# Altium PCB MCC17.PcbDoc (part 1 of 5) (continued)
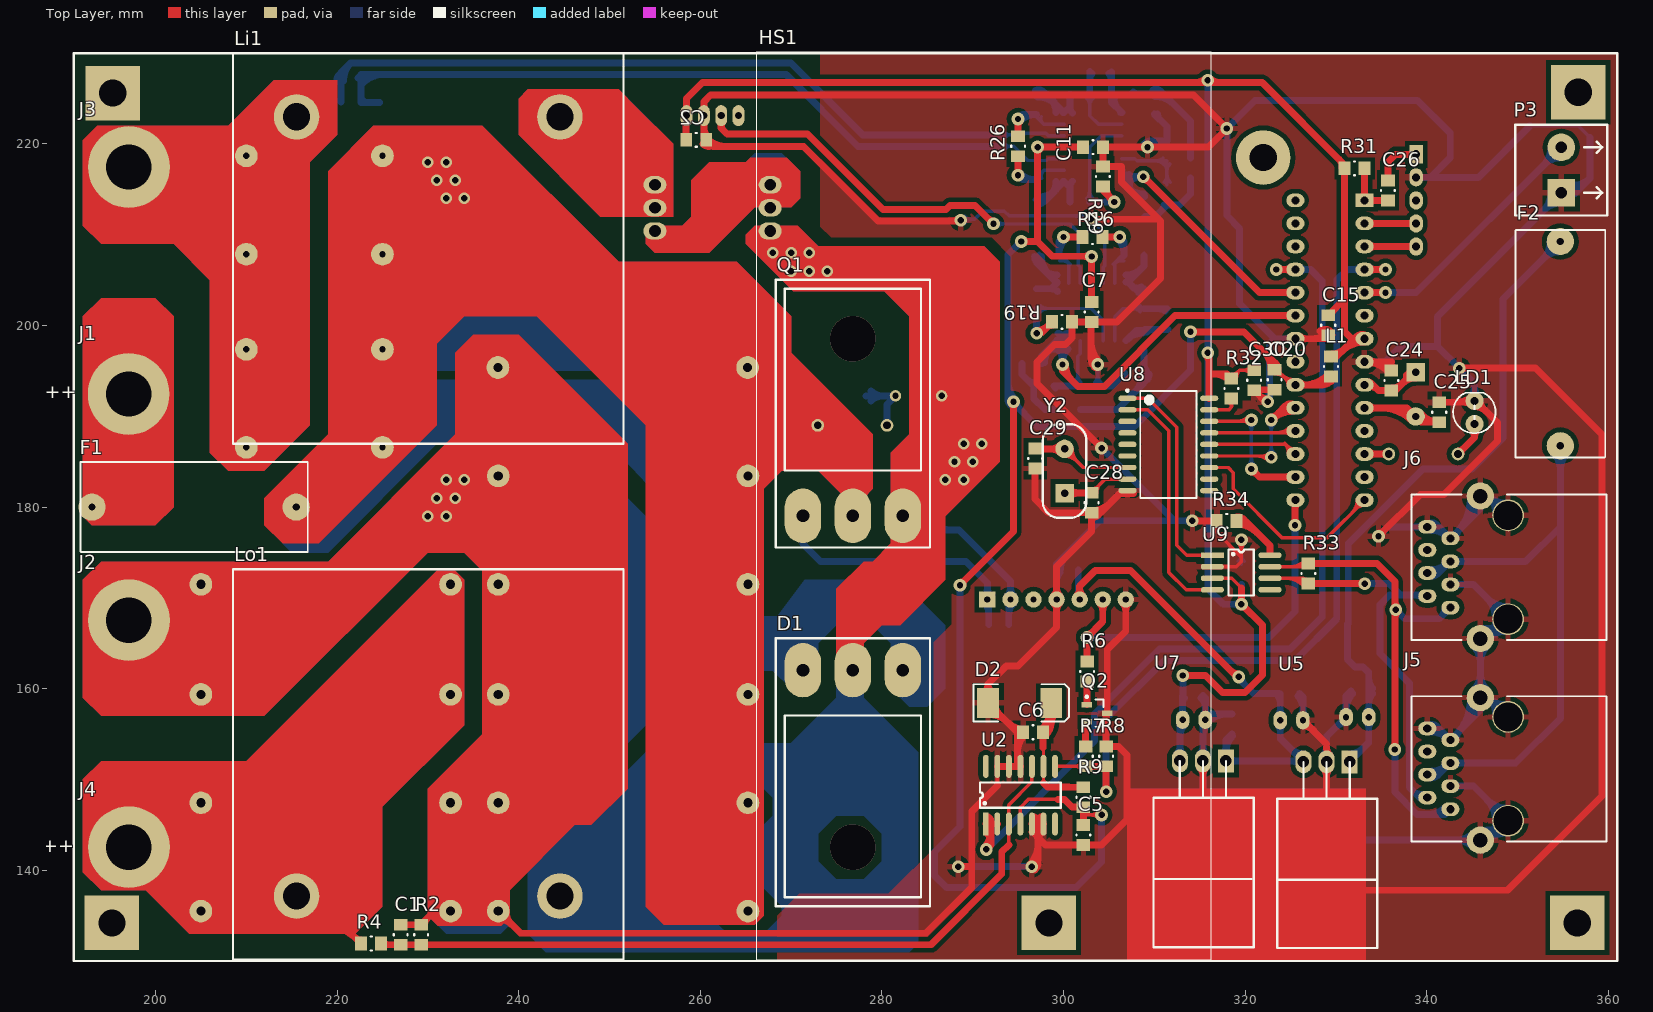
[diagram p0: Top Layer view]
## Nets (pads, with @x,y where several pads share a name; then routed paths per layer and width w, separated by ;. In a path a pad name is that pad's centre, name@x,y a point inside that pad or via, vN(x,y) a via of type N, cw(c..) or ccw(c..) an arc to the next point about the centre after c; other vN are vias at no path point)
+3.9V: C6.2 D2.2 R9.1 U2.9 | length 46.2
  Top Layer w0.381: 297.8,149.6 U2.9@297.8,151.45 297.8,153.2 ; 297.8,153.45 297.8,153.2 ; 297.8,153.5 297.8,153.2
  Top Layer w0.762: 297.75,153.5 C6.2@297.75,155.2 298.65,156.1 ; 297.8,149.6 298.243,149.157 300.593,149.157 300.6,149.15 R9.1@302.2,149.15 ; D2.2@298.65,158.45 298.65,156.1 ; C6.2@297.56,155.49 ccw(c294.928,158.122) D2.2@298.65,158.122 ; C6.2@297.56,155.49 ccw(c294.928,158.122) D2.2@298.65,158.122 ; C6.2@297.56,155.49 ccw(c294.928,158.122) D2.2@298.65,158.122 ; C6.2@297.56,155.49 ccw(c294.928,158.122) D2.2@298.65,158.122 ; C6.2@297.75,155.569 ccw(c297.75,156.46) C6.2@298.38,155.83 ; C6.2@297.75,155.569 ccw(c297.75,156.46) C6.2@298.38,155.83 ; C6.2@297.75,155.569 ccw(c297.75,156.46) C6.2@298.38,155.83 ; C6.2@297.75,155.569 ccw(c297.75,156.46) C6.2@298.38,155.83 ; D2.2@298.088,157.405 cw(c296.856,156.1) 298.65,156.1 ; D2.2@298.088,157.405 cw(c296.856,156.1) 298.65,156.1 ; D2.2@298.088,157.405 cw(c296.856,156.1) 298.65,156.1 ; D2.2@298.088,157.405 cw(c296.856,156.1) 298.65,156.1 ; C6.2@298.099,154.951 ccw(c296.767,156.283) 298.65,156.283 ; C6.2@298.099,154.951 ccw(c296.767,156.283) 298.65,156.283 ; C6.2@298.099,154.951 ccw(c296.767,156.283) 298.65,156.283 ; C6.2@298.099,154.951 ccw(c296.767,156.283) 298.65,156.283 ; 298.65,156.1 cw(c300.444,156.1) D2.2@299.212,157.405 ; 298.65,156.1 cw(c300.444,156.1) D2.2@299.212,157.405 ; 298.65,156.1 cw(c300.444,156.1) D2.2@299.212,157.405 ; 298.65,156.1 cw(c300.444,156.1) D2.2@299.212,157.405
+5V: C2.1 C15.1 C21.1 C23.2 C27.1 C30.1 L1.2 R31.1 R32.1 U1.7 U6.7 U7.3 U8.18 U9.3 | length 363.4
  Top Layer w0.381: U9.3@316.399,172.159 318.541,172.159 319.6,171.1 ; R32.1@318.026,194.651 R32.1@318.501,194.176 319.4,195.075 ; C30.1@321,195.075 319.4,195.075 ; 330.965,203 R31.1@330.965,217.3 ; U6.7@332.408,198.308 ccw(c332.035,198.133) 332.035,198.545 ; U6.7@332.408,198.782 cw(c332.035,198.957) 332.035,198.545 ; U6.7@333.165,198.545 332.035,198.545 ; R32.1@318.601,194.635 ccw(c318.601,195.503) 319.215,194.89 ; R32.1@318.601,194.635 ccw(c318.601,195.503) 319.215,194.89 ; R32.1@318.601,194.635 ccw(c318.601,195.503) 319.215,194.89 ; R32.1@318.601,194.635 ccw(c318.601,195.503) 319.215,194.89 ; R32.1@319.06,194.197 cw(c320.224,194.251) 319.4,195.075 ; R32.1@319.06,194.197 cw(c320.224,194.251) 319.4,195.075 ; R32.1@319.06,194.197 cw(c320.224,194.251) 319.4,195.075 ; R32.1@319.06,194.197 cw(c320.224,194.251) 319.4,195.075 ; 319.791,195.075 cw(c319.791,193.966) C30.1@320.575,194.75 ; 319.791,195.075 ccw(c319.791,196.184) C30.1@320.575,195.4 ; 319.791,195.075 cw(c319.791,193.966) C30.1@320.575,194.75 ; 319.791,195.075 ccw(c319.791,196.184) C30.1@320.575,195.4 ; 319.791,195.075 ccw(c319.791,196.184) C30.1@320.575,195.4 ; 319.791,195.075 cw(c319.791,193.966) C30.1@320.575,194.75 ; 319.791,195.075 ccw(c319.791,196.184) C30.1@320.575,195.4 ; 319.791,195.075 cw(c319.791,193.966) C30.1@320.575,194.75 ; R31.1@330.64,216.875 cw(c329.856,216.091) 330.965,216.091 ; R31.1@330.64,216.875 cw(c329.856,216.091) 330.965,216.091 ; R31.1@330.64,216.875 cw(c329.856,216.091) 330.965,216.091 ; R31.1@330.64,216.875 cw(c329.856,216.091) 330.965,216.091 ; 330.965,216.091 cw(c332.074,216.091) R31.1@331.29,216.875 ; 330.965,216.091 cw(c332.074,216.091) R31.1@331.29,216.875 ; 330.965,216.091 cw(c332.074,216.091) R31.1@331.29,216.875 ; 330.965,216.091 cw(c332.074,216.091) R31.1@331.29,216.875 ; 332.035,198.545 cw(c332.035,197.684) U6.7@332.72,198.206 ; 332.035,198.545 ccw(c332.035,199.406) U6.7@332.72,198.884 ; 332.035,198.545 ccw(c332.035,199.406) U6.7@332.72,198.884 ; 332.035,198.545 cw(c332.035,197.684) U6.7@332.72,198.206 ; 332.035,198.545 ccw(c332.035,199.406) U6.7@332.72,198.884 ; 332.035,198.545 cw(c332.035,197.684) U6.7@332.72,198.206
  Top Layer w0.762: C2.1@258.45,220.45 U1.7@258.45,223.08 ; U1.7@258.49,223.12 258.49,224.99 260.25,226.75 315.9,226.75 321.896,226.75 330.965,217.681 R31.1@330.965,217.3 330.94,217.275 330.94,202.9 C15.1@329.165,201.125 ; v1(313.15,161.45) 315.65,161.45 317.5,159.6 320,159.6 321.9,161.5 321.9,167 v1(319.6,169.3) 319.6,171.1 ; v1@313.376,161.224 cw(c313.92,160.68) 313.92,161.45 cw(c313.92,162.22) v1@313.376,161.676 ; 314.526,226.75 ccw(c314.526,228.374) v1@315.674,227.226 ; v1@315.674,196.774 cw(c314.766,195.866) 316.051,195.866 ; v1(315.9,197) 316.051,196.849 316.051,194.651 ; U8.18@316.051,191.981 316.051,194.651 ; v1@316.126,227.226 ccw(c317.274,228.374) 317.274,226.75 ; R32.1@318.026,194.651 316.051,194.651 ; v1@319.374,169.526 ccw(c318.83,170.07) 319.6,170.07 ccw(c320.37,170.07) v1@319.826,169.526 ; v1@319.6,168.981 cw(c319.6,168.211) 320.145,168.755 cw(c320.689,169.3) v1@319.919,169.3 ; L1.2@329.465,196.6 330.09,196.6 332.035,198.545 ; 330.783,197.293 cw(c332.915,195.161) U6.7@332.915,198.176 ; 330.965,203 330.965,199.325 331.745,198.545 332.035,198.545 ; 331.595,198.105 cw(c332.237,197.463) U6.7@332.719,198.232 ; 332.084,198.594 cw(c332.915,197.762) U6.7@332.915,198.938 ; U6.7@332.652,198.286 ccw(c332.035,197.68) 332.035,198.545 ; U6.7@332.652,198.804 cw(c332.035,199.41) 332.035,198.545 ; U6.7@332.654,198.284 ccw(c332.024,197.654) 332.024,198.545 ccw(c332.024,199.436) U6.7@332.654,198.806 ; 258.45,221.874 cw(c259.236,221.874) U1.7@258.68,222.43 ; 258.45,221.874 cw(c259.236,221.874) U1.7@258.68,222.43 ; 258.45,221.874 cw(c259.236,221.874) U1.7@258.68,222.43 ; 258.45,221.874 cw(c259.236,221.874) U1.7@258.68,222.43 ; 314.683,226.75 ccw(c314.683,228.217) v1@315.72,227.18 ; 314.683,226.75 ccw(c314.683,228.217) v1@315.72,227.18 ; 314.683,226.75 ccw(c314.683,228.217) v1@315.72,227.18 ; v1@315.72,196.82 cw(c314.922,196.022) 316.051,196.022 ; v1@315.72,196.82 cw(c314.922,196.022) 316.051,196.022 ; v1@315.72,196.82 cw(c314.922,196.022) 316.051,196.022 ; v1@316.08,227.18 ccw(c317.117,228.217) 317.117,226.75 ; v1@316.08,227.18 ccw(c317.117,228.217) 317.117,226.75 ; v1@316.08,227.18 ccw(c317.117,228.217) 317.117,226.75 ; 316.605,194.651 cw(c316.605,192.38) R32.1@318.211,193.986 ; 316.605,194.651 cw(c316.605,192.38) R32.1@318.211,193.986 ; 316.605,194.651 cw(c316.605,192.38) R32.1@318.211,193.986 ; 316.605,194.651 cw(c316.605,192.38) R32.1@318.211,193.986 ; C15.1@329.534,201.125 cw(c330.425,201.125) C15.1@329.795,201.755 ; C15.1@329.534,201.125 cw(c330.425,201.125) C15.1@329.795,201.755 ; C15.1@329.534,201.125 cw(c330.425,201.125) C15.1@329.795,201.755 ; C15.1@329.534,201.125 cw(c330.425,201.125) C15.1@329.795,201.755 ; L1.2@329.565,196.869 ccw(c329.565,198.786) 330.92,197.43 ; L1.2@329.565,196.869 ccw(c329.565,198.786) 330.92,197.43 ; L1.2@329.565,196.869 ccw(c329.565,198.786) 330.92,197.43 ; L1.2@329.565,196.869 ccw(c329.565,198.786) 330.92,197.43 ; 330.307,218.339 cw(c329.368,217.4) R31.1@330.696,217.4 ; 330.307,218.339 cw(c329.368,217.4) R31.1@330.696,217.4 ; 330.307,218.339 cw(c329.368,217.4) R31.1@330.696,217.4 ; 330.307,218.339 cw(c329.368,217.4) R31.1@330.696,217.4 ; 330.606,197.116 cw(c333.165,194.557) U6.7@333.165,198.176 ; 330.606,197.116 cw(c333.165,194.557) U6.7@333.165,198.176 ; 330.606,197.116 cw(c333.165,194.557) U6.7@333.165,198.176 ; 330.94,216.49 cw(c331.675,216.49) R31.1@331.155,217.01 ; 330.94,216.49 cw(c331.675,216.49) R31.1@331.155,217.01 ; 330.94,216.49 cw(c331.675,216.49) R31.1@331.155,217.01 ; 330.94,216.49 cw(c331.675,216.49) R31.1@331.155,217.01 ; 331.47,197.98 cw(c332.395,197.055) U6.7@332.996,198.217 ; 331.47,197.98 cw(c332.395,197.055) U6.7@332.996,198.217 ; 331.47,197.98 cw(c332.395,197.055) U6.7@332.996,198.217 ; 331.907,198.417 cw(c333.165,197.159) U6.7@333.165,198.938 ; 331.907,198.417 cw(c333.165,197.159) U6.7@333.165,198.938 ; 331.907,198.417 cw(c333.165,197.159) U6.7@333.165,198.938 ; U6.7@332.207,198.717 cw(c332.897,198.027) U6.7@333.345,198.894 ; U6.7@332.207,198.717 cw(c332.897,198.027) U6.7@333.345,198.894 ; U6.7@332.207,198.717 cw(c332.897,198.027) U6.7@333.345,198.894 ; U6.7@332.274,198.545 cw(c332.274,197.654) U6.7@332.904,198.284 ; U6.7@332.274,198.545 ccw(c332.274,199.436) U6.7@332.904,198.806 ; U6.7@332.274,198.545 cw(c332.274,197.654) U6.7@332.904,198.284 ; U6.7@332.274,198.545 ccw(c332.274,199.436) U6.7@332.904,198.806 ; U6.7@332.274,198.545 ccw(c332.274,199.436) U6.7@332.904,198.806 ; U6.7@332.274,198.545 cw(c332.274,197.654) U6.7@332.904,198.284 ; U6.7@332.274,198.545 ccw(c332.274,199.436) U6.7@332.904,198.806 ; U6.7@332.274,198.545 cw(c332.274,197.654) U6.7@332.904,198.284 ; U6.7@332.274,198.545 ccw(c332.274,199.436) U6.7@332.904,198.806 ; U6.7@332.274,198.545 cw(c332.274,197.654) U6.7@332.904,198.284 ; U6.7@332.274,198.545 ccw(c332.274,199.436) U6.7@332.904,198.806 ; U6.7@332.274,198.545 cw(c332.274,197.654) U6.7@332.904,198.284
  Bottom Layer w0.762: U7.3@312.82,152.05 C21.1@312.82,156.27 ; 312.82,154.698 cw(c314.752,154.698) C21.1@313.386,156.064 ; C21.1@312.864,157.086 ccw(c312.234,157.716) 313.125,157.716 ccw(c314.016,157.716) C21.1@313.386,157.086 ; v1@312.924,161.224 cw(c312.38,160.68) 313.15,160.68 cw(c313.92,160.68) v1@313.376,161.224 ; C21.1@313.125,156.575 313.125,159.25 C23.2@313.15,159.275 v1(313.15,161.45) ; v1@315.674,196.774 cw(c315.13,196.23) 315.9,196.23 cw(c316.67,196.23) v1@316.126,196.774 ; v1@315.674,197.226 ccw(c315.13,197.77) 315.9,197.77 ccw(c316.67,197.77) v1@316.126,197.226 ; v1@315.674,226.774 cw(c315.13,226.23) 315.9,226.23 cw(c316.67,226.23) v1@316.126,226.774 ; v1(315.9,227) v1(315.9,197) 315.9,171 317.6,169.3 v1(319.6,169.3) ; v1@319.374,169.074 ccw(c318.83,168.53) 318.83,169.3 ccw(c318.83,170.07) 319.374,169.526 ccw(c318.83,170.07) 319.6,170.07 ccw(c320.37,170.07) v1@319.826,169.526 ; v1@319.6,169.4 C27.1@319.6,171.5 ; v1@319.754,169.3 v1@319.854,169.4 ; U7.3@312.461,152.79 ccw(c311.594,153.657) 312.82,153.657 ; U7.3@312.461,152.79 ccw(c311.594,153.657) 312.82,153.657 ; U7.3@312.461,152.79 ccw(c311.594,153.657) 312.82,153.657 ; U7.3@312.461,152.79 ccw(c311.594,153.657) 312.82,153.657 ; 312.82,153.657 ccw(c314.046,153.657) U7.3@313.179,152.79 ; 312.82,153.657 ccw(c314.046,153.657) U7.3@313.179,152.79 ; 312.82,153.657 ccw(c314.046,153.657) U7.3@313.179,152.79 ; 312.82,153.657 ccw(c314.046,153.657) U7.3@313.179,152.79 ; 312.82,154.948 cw(c314.752,154.948) C21.1@313.386,156.314 ; 312.82,154.948 cw(c314.752,154.948) C21.1@313.386,156.314 ; 312.82,154.948 cw(c314.752,154.948) C21.1@313.386,156.314 ; C21.1@312.864,156.836 ccw(c312.234,157.466) C21.1@313.125,157.466 ; C21.1@312.864,156.836 ccw(c312.234,157.466) C21.1@313.125,157.466 ; C21.1@312.864,156.836 ccw(c312.234,157.466) C21.1@313.125,157.466 ; C21.1@313.125,157.466 ccw(c314.016,157.466) C21.1@313.386,156.836 ; C21.1@313.125,157.466 ccw(c314.016,157.466) C21.1@313.386,156.836 ; C21.1@313.125,157.466 ccw(c314.016,157.466) C21.1@313.386,156.836 ; 313.125,158.465 cw(c313.86,158.465) C23.2@313.34,158.985 ; 313.125,158.465 cw(c313.86,158.465) C23.2@313.34,158.985 ; 313.125,158.465 cw(c313.86,158.465) C23.2@313.34,158.985 ; 313.125,158.465 cw(c313.86,158.465) C23.2@313.34,158.985
+5V_ADC: C5.2 C7.2 C11.2 C20.2 L1.1 R9.2 U2.4 U3.4 U4.4 U6.20 | length 300.1
  Top Layer w0.381: U2.4@295.26,145.1 295.26,146.96 295.287,146.96 296.127,147.8 299.4,147.8 ; v1@297.125,219.625 v1(297.15,219.65) ; 302.2,146.1 v1(304.2,146.1) ; R9.2@302.2,146.65 R9.2@302.2,146.95 ; C7.2@303.1,202.6 C7.2@303.1,202.625 ; v1@303.84,145.739 ccw(c302.97,144.87) 302.97,146.1 ccw(c302.97,147.33) v1@303.84,146.46 ; C20.2@323.5,195.51 323.567,195.442 323.567,195.125 323.567,195.033 325.135,193.465 U6.20@325.545,193.465 ; 324.067,194.533 ccw(c325.295,195.761) U6.20@325.295,194.024 ; 324.453,194.147 cw(c323.771,193.465) U6.20@324.735,193.465 ; 303.127,146.1 cw(c303.127,145.027) v1@303.886,145.785 ; 303.127,146.1 ccw(c303.127,147.173) v1@303.886,146.414 ; 303.127,146.1 ccw(c303.127,147.173) v1@303.886,146.414 ; 303.127,146.1 cw(c303.127,145.027) v1@303.886,145.785 ; 303.127,146.1 ccw(c303.127,147.173) v1@303.886,146.414 ; 303.127,146.1 cw(c303.127,145.027) v1@303.886,145.785 ; C20.2@323.35,194.666 cw(c323.35,193.254) 324.348,194.252 ; C20.2@323.35,194.666 cw(c323.35,193.254) 324.348,194.252 ; C20.2@323.35,194.666 cw(c323.35,193.254) 324.348,194.252 ; C20.2@323.35,194.666 cw(c323.35,193.254) 324.348,194.252 ; C20.2@323.809,195.125 ccw(c324.617,195.125) 324.046,194.554 ; C20.2@323.809,195.125 ccw(c324.617,195.125) 324.046,194.554 ; C20.2@323.809,195.125 ccw(c324.617,195.125) 324.046,194.554 ; C20.2@323.809,195.125 ccw(c324.617,195.125) 324.046,194.554 ; C20.2@323.89,194.71 ccw(c325.545,196.365) U6.20@325.545,194.024 ; C20.2@323.89,194.71 ccw(c325.545,196.365) U6.20@325.545,194.024 ; C20.2@323.89,194.71 ccw(c325.545,196.365) U6.20@325.545,194.024 ; 324.54,194.06 ccw(c325.545,195.064) U6.20@325.545,193.643 ; 324.54,194.06 ccw(c325.545,195.064) U6.20@325.545,193.643 ; 324.54,194.06 ccw(c325.545,195.064) U6.20@325.545,193.643
  Top Layer w0.762: v1(288.6,171.4) 294.5,177.3 v1(294.5,191.6) ; v1@288.6,171.719 ccw(c288.6,172.489) 289.145,171.945 ccw(c289.689,171.4) v1@288.919,171.4 ; v1@294.274,191.374 cw(c293.73,190.83) 294.5,190.83 cw(c295.27,190.83) v1@294.726,191.374 ; v1(295.35,209.25) 297.15,209.25 ; v1@295.576,209.024 cw(c296.12,208.48) 296.12,209.25 cw(c296.12,210.02) v1@295.576,209.476 ; v1@296.924,219.424 cw(c296.38,218.88) 297.15,218.88 cw(c297.92,218.88) 297.376,219.424 cw(c297.92,218.88) 297.92,219.65 cw(c297.92,220.42) v1@297.376,219.876 ; 299.4,147.8 300.1,147.8 300.95,146.95 R9.2@302.2,146.95 ; C11.2@302.15,219.65 v1(297.15,219.65) 297.15,209.25 ; C5.2@302.2,145 302.2,146.1 R9.2@302.2,146.65 ; 302.27,207.625 cw(c302.27,206.77) 302.874,207.374 cw(c302.39,206.89) 303.075,206.89 ; 302.39,207.625 ccw(c302.39,208.31) v1@302.874,207.826 ; C7.2@303.075,202.625 303.075,207.6 303.075,207.625 298.775,207.625 297.15,209.25 ; 303.075,206.77 cw(c303.93,206.77) v1@303.326,207.374 ; v1(314,199.3) 319.9,199.3 323.25,195.95 C20.2@323.25,195.125 ; v1@314.226,199.074 cw(c314.77,198.53) 314.77,199.3 cw(c314.77,200.07) v1@314.226,199.526 ; U6.20@325.545,193.465 328.53,193.465 L1.1@329.465,194.4 ; U6.20@326.056,193.204 cw(c326.686,192.574) 326.686,193.465 cw(c326.686,194.356) U6.20@326.056,193.726 ; v1@302.426,207.625 cw(c302.426,206.926) v1@302.92,207.42 ; v1@302.426,207.625 cw(c302.426,206.926) v1@302.92,207.42 ; v1@302.426,207.625 cw(c302.426,206.926) v1@302.92,207.42 ; 303.075,203.31 ccw(c303.81,203.31) C7.2@303.29,202.79 ; 303.075,203.31 ccw(c303.81,203.31) C7.2@303.29,202.79 ; 303.075,203.31 ccw(c303.81,203.31) C7.2@303.29,202.79 ; 303.075,203.31 ccw(c303.81,203.31) C7.2@303.29,202.79 ; v1@303.075,206.926 cw(c303.774,206.926) v1@303.28,207.42 ; v1@303.075,206.926 cw(c303.774,206.926) v1@303.28,207.42 ; v1@303.075,206.926 cw(c303.774,206.926) v1@303.28,207.42 ; U6.20@325.806,193.204 cw(c326.436,192.574) U6.20@326.436,193.465 ; U6.20@325.806,193.204 cw(c326.436,192.574) U6.20@326.436,193.465 ; U6.20@325.806,193.204 cw(c326.436,192.574) U6.20@326.436,193.465 ; U6.20@325.806,193.726 ccw(c326.436,194.356) U6.20@326.436,193.465 ; U6.20@325.806,193.726 ccw(c326.436,194.356) U6.20@326.436,193.465 ; U6.20@325.806,193.726 ccw(c326.436,194.356) U6.20@326.436,193.465 ; U6.20@326.458,193.465 ccw(c326.458,197.307) L1.1@329.175,194.59 ; U6.20@326.458,193.465 ccw(c326.458,197.307) L1.1@329.175,194.59 ; U6.20@326.458,193.465 ccw(c326.458,197.307) L1.1@329.175,194.59 ; U6.20@326.458,193.465 ccw(c326.458,197.307) L1.1@329.175,194.59 ; 328.298,193.465 ccw(c328.298,195.467) L1.1@329.714,194.051 ; 328.298,193.465 ccw(c328.298,195.467) L1.1@329.714,194.051 ; 328.298,193.465 ccw(c328.298,195.467) L1.1@329.714,194.051 ; 328.298,193.465 ccw(c328.298,195.467) L1.1@329.714,194.051 ; L1.1@328.835,193.77 ccw(c328.205,194.4) L1.1@329.096,194.4 ; L1.1@328.835,193.77 ccw(c328.205,194.4) L1.1@329.096,194.4 ; L1.1@328.835,193.77 ccw(c328.205,194.4) L1.1@329.096,194.4 ; L1.1@328.835,193.77 ccw(c328.205,194.4) L1.1@329.096,194.4 ; 322.037,197.163 cw(c319.998,195.125) 322.881,195.125 ccw(c319.998,195.125) 322.037,197.163 ; 323.338,195.862 cw(c322.6,195.125) 323.643,195.125 ccw(c322.6,195.125) 323.338,195.862
  Bottom Layer w0.381: v1(297.15,219.65) U4.4@300.075,219.65 ; v1@297.51,219.29 cw(c298.38,218.42) 298.38,219.65 cw(c298.38,220.88) v1@297.51,220.01 ; v1@302.74,207.24 cw(c301.87,206.37) 303.1,206.37 cw(c304.33,206.37) v1@303.46,207.24 ; U3.4@303.1,204.675 v1(303.1,207.6) ; v1@297.464,219.336 cw(c298.223,218.577) 298.223,219.65 ; v1@297.464,219.336 cw(c298.223,218.577) 298.223,219.65 ; v1@297.464,219.336 cw(c298.223,218.577) 298.223,219.65 ; v1@297.464,219.964 ccw(c298.223,220.723) 298.223,219.65 ; v1@297.464,219.964 ccw(c298.223,220.723) 298.223,219.65 ; v1@297.464,219.964 ccw(c298.223,220.723) 298.223,219.65 ; v1@302.786,207.286 cw(c302.027,206.527) 303.1,206.527 ; v1@302.786,207.286 cw(c302.027,206.527) 303.1,206.527 ; v1@302.786,207.286 cw(c302.027,206.527) 303.1,206.527 ; 303.1,206.527 cw(c304.173,206.527) v1@303.414,207.286 ; 303.1,206.527 cw(c304.173,206.527) v1@303.414,207.286 ; 303.1,206.527 cw(c304.173,206.527) v1@303.414,207.286
  Bottom Layer w0.762: v1@288.374,171.174 cw(c287.83,170.63) 288.6,170.63 cw(c289.37,170.63) v1@288.826,171.174 ; v1(288.6,171.4) 288.6,144.8 285.8,142 285.8,139.4 287.1,138.1 301.4,138.1 304.2,140.9 v1(304.2,146.1) ; 293.9,191.979 ccw(c294.879,191.979) v1@294.187,191.287 ; 293.9,193.819 ccw(c296.719,193.819) v1@294.726,191.826 ; v1@294.819,191.6 ccw(c295.831,191.6) 295.115,190.885 ; v1@295.031,209.25 cw(c294.261,209.25) 294.805,208.705 cw(c295.35,208.161) v1@295.35,208.931 ; v1(295.35,209.25) 293.9,207.8 293.9,192.1 294.45,191.55 297.1,188.9 307.8,188.9 314,195.1 v1(314,199.3) ; v1@303.975,145.874 cw(c303.43,145.33) 304.2,145.33 cw(c304.97,145.33) v1@304.426,145.874 ; v1@313.774,199.074 cw(c313.23,198.53) 314,198.53 cw(c314.77,198.53) v1@314.226,199.074 ; v1@293.9,191.822 ccw(c294.722,191.822) v1@294.141,191.241 ; v1@293.9,191.822 ccw(c294.722,191.822) v1@294.141,191.241 ; v1@293.9,191.822 ccw(c294.722,191.822) v1@294.141,191.241 ; 293.9,193.662 ccw(c296.562,193.662) v1@294.68,191.78 ; 293.9,193.662 ccw(c296.562,193.662) v1@294.68,191.78 ; 293.9,193.662 ccw(c296.562,193.662) v1@294.68,191.78 ; v1@294.754,191.6 ccw(c295.609,191.6) 295.004,190.996 ; v1@294.754,191.6 ccw(c295.609,191.6) 295.004,190.996 ; v1@294.754,191.6 ccw(c295.609,191.6) 295.004,190.996
+12V: C4.2 C17.1 C19.2 C22.2 P1.5 U5.3 U7.1 | length 121.1
  Top Layer w0.762: P1.5@301.785,169.825 301.785,171.285 303.5,173 307.4,173 319.2,161.2 319.3,161.1 v1(319.3,161.3) ; 318.414,161.986 ccw(c319.3,162.872) v1@319.3,161.619 ; P1.5@301.418,170.192 ccw(c300.532,171.078) 301.785,171.078 ; P1.5@301.418,170.192 ccw(c300.532,171.078) 301.785,171.078 ; P1.5@301.418,170.192 ccw(c300.532,171.078) 301.785,171.078 ; P1.5@301.418,170.192 ccw(c300.532,171.078) 301.785,171.078 ; 301.785,171.078 ccw(c303.038,171.078) P1.5@302.152,170.192 ; 301.785,171.078 ccw(c303.038,171.078) P1.5@302.152,170.192 ; 301.785,171.078 ccw(c303.038,171.078) P1.5@302.152,170.192 ; 301.785,171.078 ccw(c303.038,171.078) P1.5@302.152,170.192
  Bottom Layer w0.762: C4.2@301.625,173.075 301.625,169.985 P1.5@301.785,169.825 ; C22.2@318.55,155 317.9,154.35 U7.1@317.9,152.05 U5.3@326.335,152.05 ; v1(319.3,161.3) 319.3,161.1 320.925,159.475 C19.2@323.8,159.475 323.875,159.4 C17.1@323.875,156.525 323.875,154.51 U5.3@326.335,152.05 ; v1@319.619,161.3 ccw(c320.872,161.3) 319.986,160.414 ; C17.1@323.614,156.014 cw(c322.984,155.384) 323.875,155.384 cw(c324.766,155.384) C17.1@324.136,156.014 ; C17.1@323.614,157.036 ccw(c322.984,157.666) 323.875,157.666 ccw(c324.766,157.666) C17.1@324.136,157.036 ; U5.3@326.435,151.95 U5.3@326.335,152.05 ; 301.625,171.464 ccw(c303.424,171.464) P1.5@302.152,170.192 ; 301.625,171.464 ccw(c303.424,171.464) P1.5@302.152,170.192 ; 301.625,171.464 ccw(c303.424,171.464) P1.5@302.152,170.192 ; 301.625,171.464 ccw(c303.424,171.464) P1.5@302.152,170.192 ; U7.1@317.541,152.79 ccw(c316.674,153.657) 317.9,153.657 ; U7.1@317.541,152.79 ccw(c316.674,153.657) 317.9,153.657 ; U7.1@317.541,152.79 ccw(c316.674,153.657) 317.9,153.657 ; U7.1@317.541,152.79 ccw(c316.674,153.657) 317.9,153.657 ; U7.1@317.9,153.023 cw(c320.427,153.023) C22.2@318.64,154.81 ; U7.1@317.9,153.023 cw(c320.427,153.023) C22.2@318.64,154.81 ; U7.1@317.9,153.023 cw(c320.427,153.023) C22.2@318.64,154.81 ; U7.1@317.9,153.023 cw(c320.427,153.023) C22.2@318.64,154.81 ; 317.9,153.657 ccw(c319.126,153.657) U7.1@318.259,152.79 ; 317.9,153.657 ccw(c319.126,153.657) U7.1@318.259,152.79 ; 317.9,153.657 ccw(c319.126,153.657) U7.1@318.259,152.79 ; 317.9,153.657 ccw(c319.126,153.657) U7.1@318.259,152.79 ; U7.1@318.259,151.691 cw(c319.126,150.824) 319.126,152.05 ; U7.1@318.259,151.691 cw(c319.126,150.824) 319.126,152.05 ; U7.1@318.259,151.691 cw(c319.126,150.824) 319.126,152.05 ; U7.1@318.259,151.691 cw(c319.126,150.824) 319.126,152.05 ; U7.1@318.259,152.409 ccw(c319.126,153.276) 319.126,152.05 ; U7.1@318.259,152.409 ccw(c319.126,153.276) 319.126,152.05 ; U7.1@318.259,152.409 ccw(c319.126,153.276) 319.126,152.05 ; U7.1@318.259,152.409 ccw(c319.126,153.276) 319.126,152.05 ; C19.2@323.61,159.185 cw(c322.97,158.545) 323.875,158.545 ; C19.2@323.61,159.185 cw(c322.97,158.545) 323.875,158.545 ; C19.2@323.61,159.185 cw(c322.97,158.545) 323.875,158.545 ; C19.2@323.61,159.185 cw(c322.97,158.545) 323.875,158.545 ; C17.1@323.614,156.264 cw(c322.984,155.634) C17.1@323.875,155.634 ; C17.1@323.614,156.264 cw(c322.984,155.634) C17.1@323.875,155.634 ; C17.1@323.614,156.264 cw(c322.984,155.634) C17.1@323.875,155.634 ; C17.1@323.614,156.786 ccw(c322.984,157.416) C17.1@323.875,157.416 ; C17.1@323.614,156.786 ccw(c322.984,157.416) C17.1@323.875,157.416 ; C17.1@323.614,156.786 ccw(c322.984,157.416) C17.1@323.875,157.416 ; C17.1@323.875,155.634 cw(c324.766,155.634) C17.1@324.136,156.264 ; C17.1@323.875,155.634 cw(c324.766,155.634) C17.1@324.136,156.264 ; C17.1@323.875,155.634 cw(c324.766,155.634) C17.1@324.136,156.264 ; C17.1@323.875,157.416 ccw(c324.766,157.416) C17.1@324.136,156.786 ; C17.1@323.875,157.416 ccw(c324.766,157.416) C17.1@324.136,156.786 ; C17.1@323.875,157.416 ccw(c324.766,157.416) C17.1@324.136,156.786 ; 324.917,153.468 ccw(c326.435,154.985) U5.3@326.435,152.839 ; 324.917,153.468 ccw(c326.435,154.985) U5.3@326.435,152.839 ; 324.917,153.468 ccw(c326.435,154.985) U5.3@326.435,152.839 ; 324.917,153.468 ccw(c326.435,154.985) U5.3@326.435,152.839 ; 324.967,152.05 cw(c324.967,150.482) U5.3@326.076,151.591 ; 324.967,152.05 cw(c324.967,150.482) U5.3@326.076,151.591 ; 324.967,152.05 cw(c324.967,150.482) U5.3@326.076,151.591 ; 324.967,152.05 cw(c324.967,150.482) U5.3@326.076,151.591 ; 325.45,152.05 ccw(c325.45,152.935) U5.3@326.076,152.309 ; 325.45,152.05 ccw(c325.45,152.935) U5.3@326.076,152.309 ; 325.45,152.05 ccw(c325.45,152.935) U5.3@326.076,152.309 ; 325.45,152.05 ccw(c325.45,152.935) U5.3@326.076,152.309
+18V: C16.1 C18.2 F2.1 U5.1 | length 116.9
  Bottom Layer w0.762: U5.1@331.515,151.95 333.625,154.06 C16.1@333.625,156.875 333.625,159.75 333.625,161.775 333,162.4 332.1,162.4 331.3,163.2 331.3,167.108 331.37,167.178 331.37,175.97 339.6,184.2 345,184.2 348.4,187.6 348.4,202.925 F2.1@354.725,209.25 ; C16.1@333.364,156.364 cw(c332.734,155.734) 333.625,155.734 cw(c334.516,155.734) C16.1@333.886,156.364 ; C16.1@333.364,157.386 ccw(c332.734,158.016) 333.625,158.016 ccw(c334.516,158.016) C16.1@333.886,157.386 ; U5.1@331.515,152.839 ccw(c331.515,154.985) 333.033,153.468 ; U5.1@331.515,152.839 ccw(c331.515,154.985) 333.033,153.468 ; U5.1@331.515,152.839 ccw(c331.515,154.985) 333.033,153.468 ; U5.1@331.515,152.839 ccw(c331.515,154.985) 333.033,153.468 ; C16.1@333.364,156.614 cw(c332.734,155.984) C16.1@333.625,155.984 ; C16.1@333.364,156.614 cw(c332.734,155.984) C16.1@333.625,155.984 ; C16.1@333.364,156.614 cw(c332.734,155.984) C16.1@333.625,155.984 ; C16.1@333.364,157.136 ccw(c332.734,157.766) C16.1@333.625,157.766 ; C16.1@333.364,157.136 ccw(c332.734,157.766) C16.1@333.625,157.766 ; C16.1@333.364,157.136 ccw(c332.734,157.766) C16.1@333.625,157.766 ; C16.1@333.625,155.984 cw(c334.516,155.984) C16.1@333.886,156.614 ; C16.1@333.625,155.984 cw(c334.516,155.984) C16.1@333.886,156.614 ; C16.1@333.625,155.984 cw(c334.516,155.984) C16.1@333.886,156.614 ; C16.1@333.625,157.766 ccw(c334.516,157.766) C16.1@333.886,157.136 ; C16.1@333.625,157.766 ccw(c334.516,157.766) C16.1@333.886,157.136 ; C16.1@333.625,157.766 ccw(c334.516,157.766) C16.1@333.886,157.136 ; 333.625,158.397 cw(c335.128,158.397) C18.2@334.065,159.46 ; 333.625,158.397 cw(c335.128,158.397) C18.2@334.065,159.46 ; 333.625,158.397 cw(c335.128,158.397) C18.2@334.065,159.46 ; 333.625,158.397 cw(c335.128,158.397) C18.2@334.065,159.46 ; 333.625,161.103 ccw(c335.128,161.103) C18.2@334.065,160.04 ; 333.625,161.103 ccw(c335.128,161.103) C18.2@334.065,160.04 ; 333.625,161.103 ccw(c335.128,161.103) C18.2@334.065,160.04 ; 333.625,161.103 ccw(c335.128,161.103) C18.2@334.065,160.04 ; 352.815,207.34 cw(c354.725,205.429) F2.1@354.725,208.131 ; 352.815,207.34 ccw(c350.904,209.25) F2.1@353.606,209.25 ; 352.815,207.34 cw(c354.725,205.429) F2.1@354.725,208.131 ; 352.815,207.34 ccw(c350.904,209.25) F2.1@353.606,209.25 ; 352.815,207.34 ccw(c350.904,209.25) F2.1@353.606,209.25 ; 352.815,207.34 cw(c354.725,205.429) F2.1@354.725,208.131 ; 352.815,207.34 ccw(c350.904,209.25) F2.1@353.606,209.25 ; 352.815,207.34 cw(c354.725,205.429) F2.1@354.725,208.131
+18V_UNFUSED: F2.2 J5.4 J5.5 J6.4 J6.5 | length 141.3
  Bottom Layer w0.762: J5.4@340.075,150.54 341.317,150.54 J5.5@342.587,151.81 ; J6.4@340.075,172.74 341.317,172.74 J6.5@342.587,174.01 ; F2.2@354.725,186.75 354.725,177.825 ; J5.4@340.315,150.147 ccw(c340.349,151.534) 341.33,150.553 ; J5.4@340.315,150.147 ccw(c340.349,151.534) 341.33,150.553 ; J5.4@340.315,150.147 ccw(c340.349,151.534) 341.33,150.553 ; J5.4@340.315,150.147 ccw(c340.349,151.534) 341.33,150.553 ; J6.4@340.315,172.347 ccw(c340.349,173.734) 341.33,172.753 ; J6.4@340.315,172.347 ccw(c340.349,173.734) 341.33,172.753 ; J6.4@340.315,172.347 ccw(c340.349,173.734) 341.33,172.753 ; J6.4@340.315,172.347 ccw(c340.349,173.734) 341.33,172.753 ; J5.4@340.334,150.909 ccw(c340.41,153.987) J5.5@342.587,151.81 ; J5.4@340.334,150.909 ccw(c340.41,153.987) J5.5@342.587,151.81 ; J5.4@340.334,150.909 ccw(c340.41,153.987) J5.5@342.587,151.81 ; J5.4@340.334,150.909 ccw(c340.41,153.987) J5.5@342.587,151.81 ; J6.4@340.334,173.109 ccw(c340.41,176.187) J6.5@342.587,174.01 ; J6.4@340.334,173.109 ccw(c340.41,176.187) J6.5@342.587,174.01 ; J6.4@340.334,173.109 ccw(c340.41,176.187) J6.5@342.587,174.01 ; J6.4@340.334,173.109 ccw(c340.41,176.187) J6.5@342.587,174.01 ; J5.4@340.586,150.279 cw(c341.216,149.649) 341.216,150.54 ; J5.4@340.586,150.279 cw(c341.216,149.649) 341.216,150.54 ; J5.4@340.586,150.279 cw(c341.216,149.649) 341.216,150.54 ; J5.4@340.586,150.279 cw(c341.216,149.649) 341.216,150.54 ; J5.4@340.586,150.801 ccw(c341.216,151.431) 341.216,150.54 ; J5.4@340.586,150.801 ccw(c341.216,151.431) 341.216,150.54 ; J5.4@340.586,150.801 ccw(c341.216,151.431) 341.216,150.54 ; J5.4@340.586,150.801 ccw(c341.216,151.431) 341.216,150.54 ; J6.4@340.586,172.479 cw(c341.216,171.849) 341.216,172.74 ; J6.4@340.586,172.479 cw(c341.216,171.849) 341.216,172.74 ; J6.4@340.586,172.479 cw(c341.216,171.849) 341.216,172.74 ; J6.4@340.586,172.479 cw(c341.216,171.849) 341.216,172.74 ; J6.4@340.586,173.001 ccw(c341.216,173.631) 341.216,172.74 ; J6.4@340.586,173.001 ccw(c341.216,173.631) 341.216,172.74 ; J6.4@340.586,173.001 ccw(c341.216,173.631) 341.216,172.74 ; J6.4@340.586,173.001 ccw(c341.216,173.631) 341.216,172.74 ; 341.578,150.801 ccw(c340.569,151.81) J5.5@341.996,151.81 ; 341.578,150.801 ccw(c340.569,151.81) J5.5@341.996,151.81 ; 341.578,150.801 ccw(c340.569,151.81) J5.5@341.996,151.81 ; 341.578,150.801 ccw(c340.569,151.81) J5.5@341.996,151.81 ; 341.578,173.001 ccw(c340.569,174.01) J6.5@341.996,174.01 ; 341.578,173.001 ccw(c340.569,174.01) J6.5@341.996,174.01 ; 341.578,173.001 ccw(c340.569,174.01) J6.5@341.996,174.01 ; 341.578,173.001 ccw(c340.569,174.01) J6.5@341.996,174.01 ; J5.5@342.587,151.81 J5.5@342.615,151.81 349.81,151.81 354.725,156.725 354.725,177.825 ; J6.5@342.587,174.01 J6.5@342.615,174.01 350.91,174.01 354.725,177.825 ; J5.5@343.126,151.549 cw(c343.756,150.919) 343.756,151.81 ; J5.5@343.126,151.549 cw(c343.756,150.919) 343.756,151.81 ; J5.5@343.126,151.549 cw(c343.756,150.919) 343.756,151.81 ; J5.5@343.126,151.549 cw(c343.756,150.919) 343.756,151.81 ; J5.5@343.126,152.071 ccw(c343.756,152.701) 343.756,151.81 ; J5.5@343.126,152.071 ccw(c343.756,152.701) 343.756,151.81 ; J5.5@343.126,152.071 ccw(c343.756,152.701) 343.756,151.81 ; J5.5@343.126,152.071 ccw(c343.756,152.701) 343.756,151.81 ; J6.5@343.126,173.749 cw(c343.756,173.119) 343.756,174.01 ; J6.5@343.126,173.749 cw(c343.756,173.119) 343.756,174.01 ; J6.5@343.126,173.749 cw(c343.756,173.119) 343.756,174.01 ; J6.5@343.126,173.749 cw(c343.756,173.119) 343.756,174.01 ; J6.5@343.126,174.271 ccw(c343.756,174.901) 343.756,174.01 ; J6.5@343.126,174.271 ccw(c343.756,174.901) 343.756,174.01 ; J6.5@343.126,174.271 ccw(c343.756,174.901) 343.756,174.01 ; J6.5@343.126,174.271 ccw(c343.756,174.901) 343.756,174.01 ; F2.2@353.934,185.959 cw(c352.023,184.048) 354.725,184.048 ; F2.2@353.934,185.959 cw(c352.023,184.048) 354.725,184.048 ; F2.2@353.934,185.959 cw(c352.023,184.048) 354.725,184.048 ; F2.2@353.934,185.959 cw(c352.023,184.048) 354.725,184.048 ; 354.725,184.048 cw(c357.427,184.048) F2.2@355.516,185.959 ; 354.725,184.048 cw(c357.427,184.048) F2.2@355.516,185.959 ; 354.725,184.048 cw(c357.427,184.048) F2.2@355.516,185.959 ; 354.725,184.048 cw(c357.427,184.048) F2.2@355.516,185.959